# Altium PCB AT91-PCB.PcbDoc (part 3 of 3)
Units mm, origin at the board's own origin, x right, y up, seen from the top; angles counter-clockwise.
Board outline 112.5 x 92.7 mm, 2 copper layers (Top Layer, Bottom Layer), stack 1.671 mm thick; 226 components, 269 nets, 1126 pads, 364 vias.
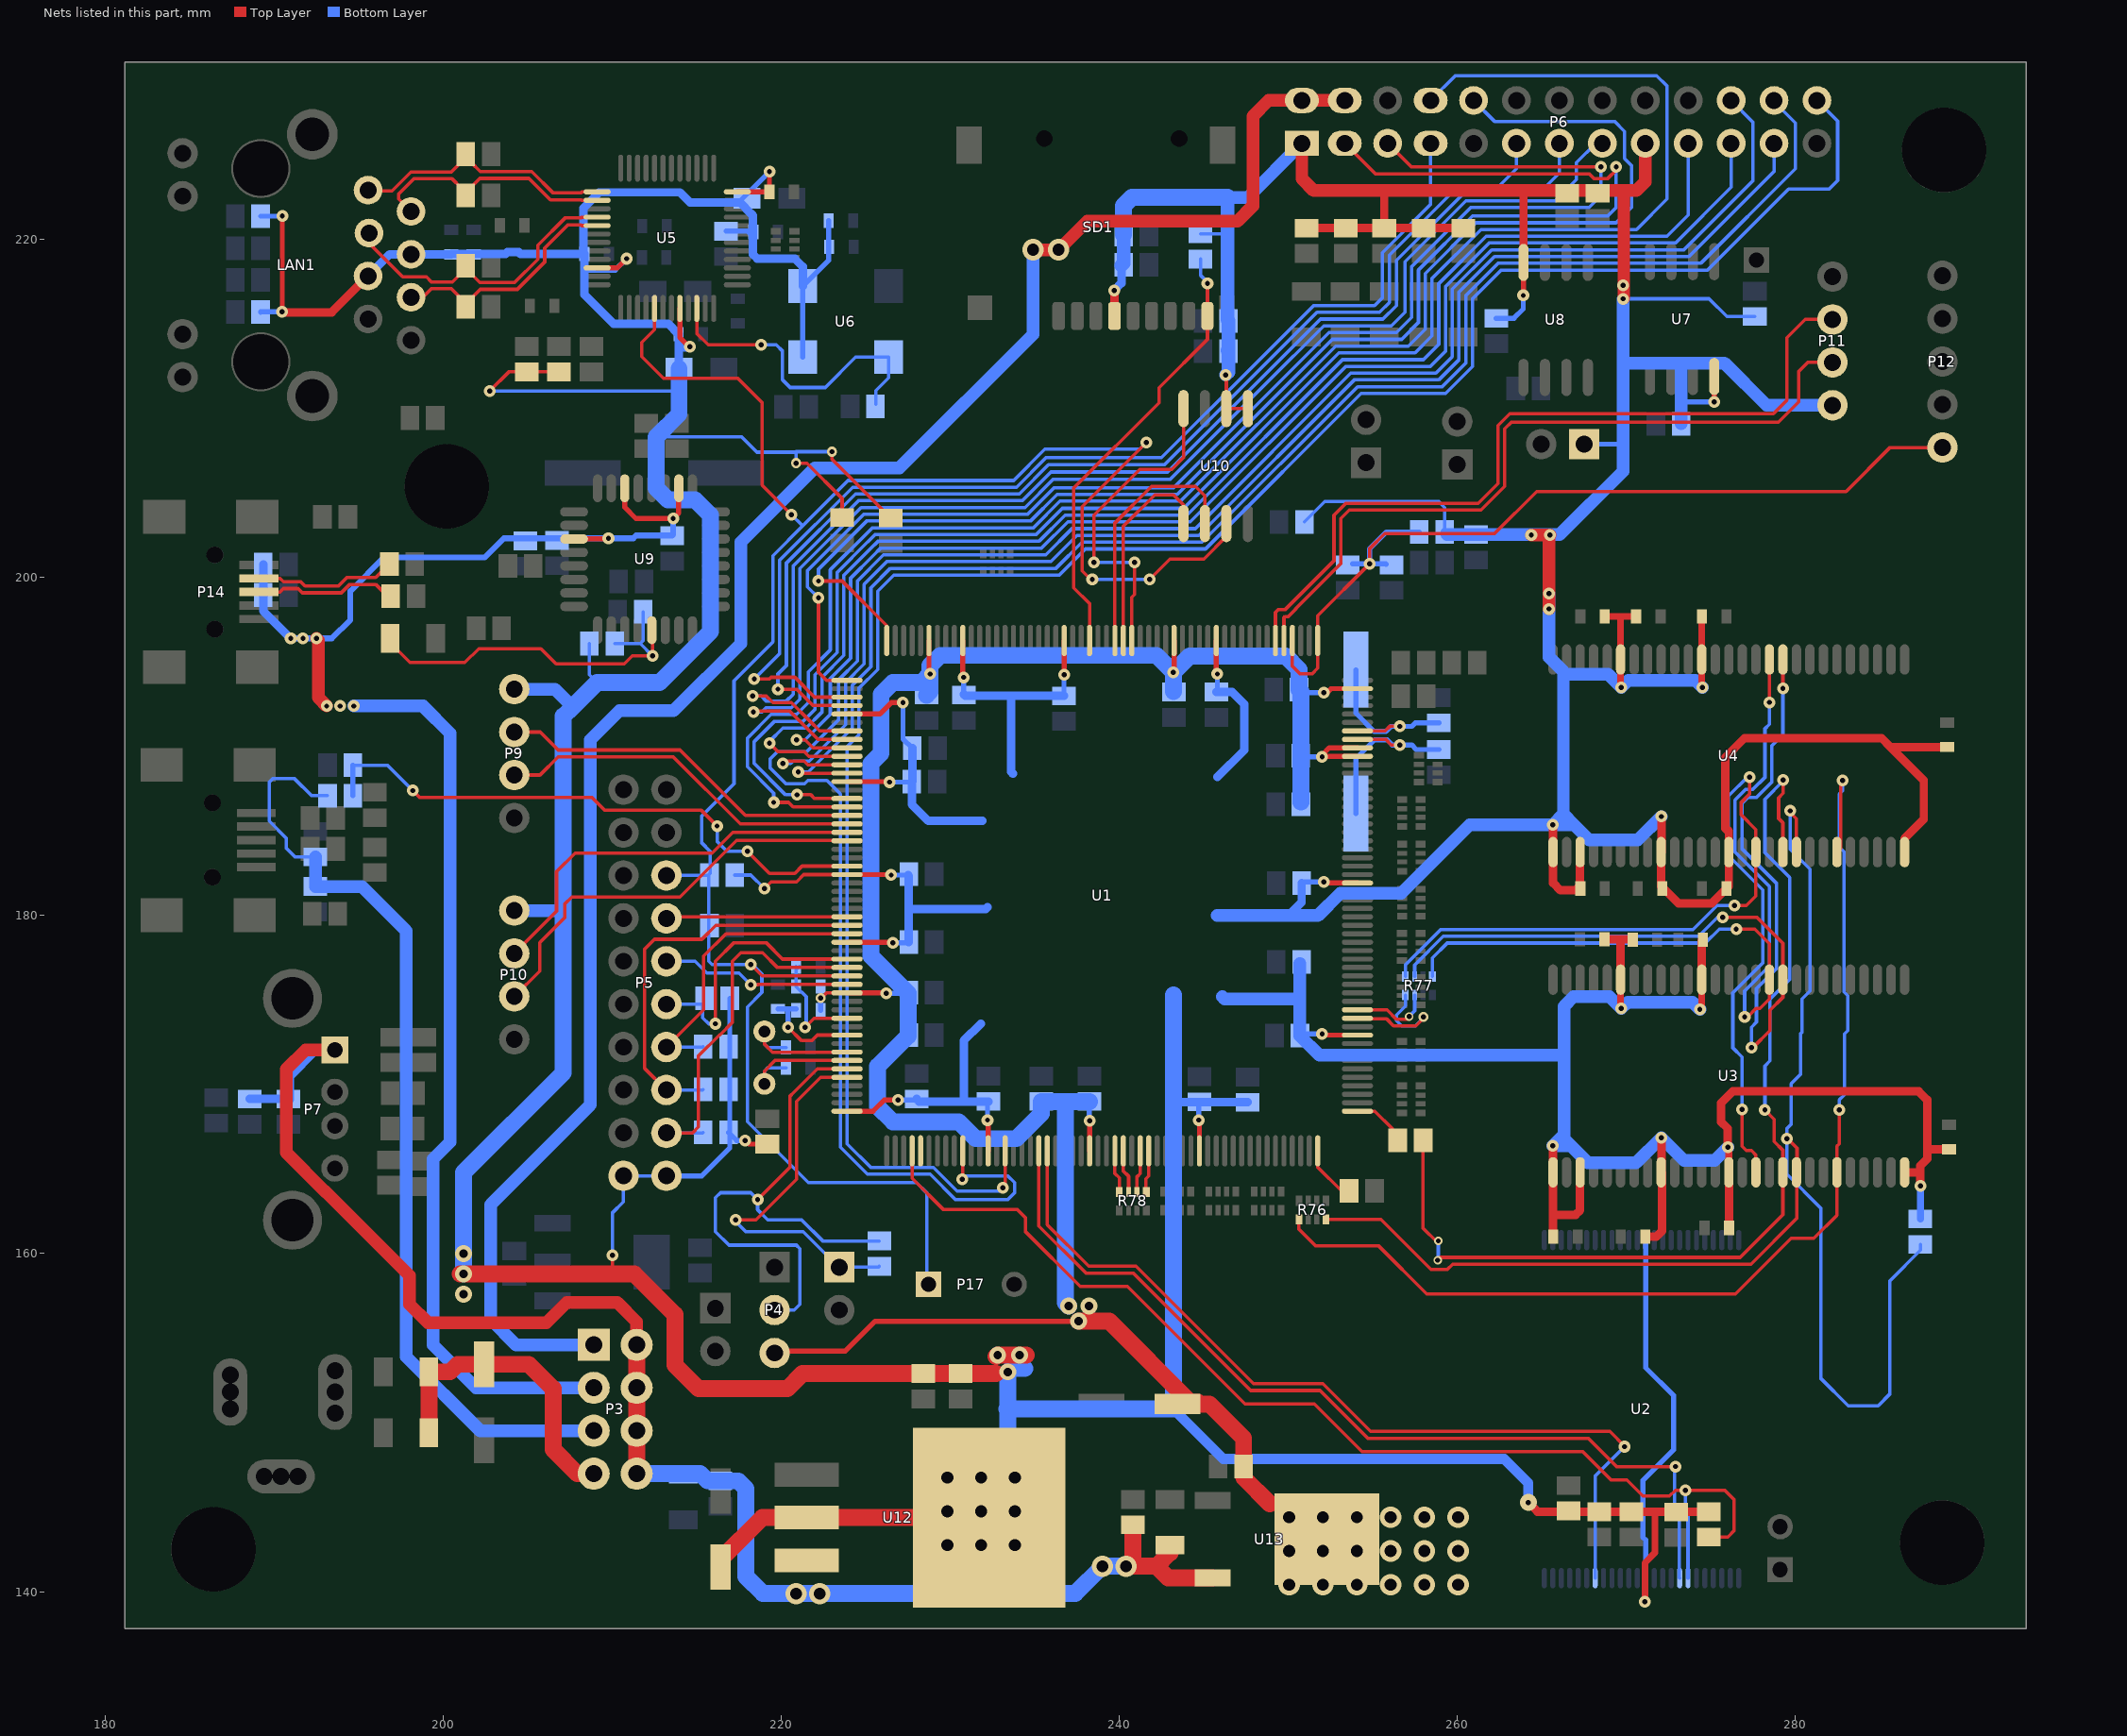
[diagram p3: the nets of this part, all layers, seen from the top]

## Via types
v1: diameter 0.7, hole 0.3, Top Layer to Bottom Layer, 267 vias
v2: diameter 1.27, hole 0.711, Top Layer to Bottom Layer, 40 vias
v3: diameter 0.5, hole 0.3, Top Layer to Bottom Layer, 21 vias
v4: diameter 0.6, hole 0.3, Top Layer to Bottom Layer, 16 vias
v5: diameter 1, hole 0.5, Top Layer to Bottom Layer, 15 vias
v6: diameter 1.2, hole 0.5, Top Layer to Bottom Layer, 3 vias
v7: diameter 1, hole 0.3, Top Layer to Bottom Layer, 2 vias

## Nets (pads, with @x,y where several pads share a name; then routed paths per layer and width w, separated by ;. In a path a pad name is that pad's centre, name@x,y a point inside that pad or via, vN(x,y) a via of type N, cw(c..) or ccw(c..) an arc to the next point about the centre after c; other vN are vias at no path point) (continued)
NetR77_3: R77.3 U1.117 | length 4.8
  Top Layer w0.2: U1.117@254.089,174.428 255.837,174.428 256.391,173.875 257,173.875 v3(257.15,174.025)
  Bottom Layer w0.2: v3(257.15,174.025) 257.15,174.049 257.475,174.374 R77.3@257.475,175.3
NetR77_4: R77.4 U1.116 | length 8
  Top Layer w0.2: U1.116@254.114,173.903 255.797,173.903 256.225,173.475 257.55,173.475 v4@258,173.925
  Bottom Layer w0.2: R77.4@256.925,175.3 256.925,174.65 256.4,174.125 256.4,173.775 256.7,173.475 257.525,173.475 258,173.95 v4(258,174)
NetR78_1: R78.1 U1.84 | length 2.5
  Top Layer w0.2: R78.1@241.6,163.65 241.575,163.675 241.575,164.425 241.739,164.589 U1.84@241.739,166.078
NetR78_2: R78.2 U1.83 | length 2.5
  Top Layer w0.2: R78.2@241.05,163.65 241.05,164.55 241.239,164.739 U1.83@241.239,166.078
NetR78_3: R78.3 U1.81 | length 2.6
  Top Layer w0.2: U1.81@240.239,166.078 240.239,164.886 240.55,164.575 R78.3@240.55,163.65
NetR78_4: R78.4 U1.80 | length 2.5
  Top Layer w0.2: U1.80@239.739,166.078 239.739,164.736 240,164.475 R78.4@240,163.65
NetR79_1: R79.1 U1.104 | length 3.4
  Top Layer w0.2: U1.104@251.739,166.078 251.739,165.111 253.125,163.725 R79.1@253.6,163.725
NetR80_1: R80.1 U1.105 | length 2.5
  Top Layer w0.2: U1.105@254.089,168.428 255.122,168.428 R80.1@256.15,167.4
NetR81_1: R81.1 R82.1 U1.41 | length 6.9
  Top Layer w0.2: v1(221.4,173.4) 221.928,173.928 U1.41@223.889,173.928
  Bottom Layer w0.2: R81.1@220.875,177 R81.1@220.875,176.8 ; R81.1@221.075,177 R81.1@220.875,176.8 ; v1(221.4,173.4) 221.475,173.475 221.475,175.2 R82.1@220.875,175.8 R81.1@220.875,176.8
NetR83_1: R83.1 R84.1 U1.43 | length 6.1
  Top Layer w0.2: v1(220.4,173.4) 221.2,172.6 221.8,172.6 222.128,172.928 U1.43@223.889,172.928
  Bottom Layer w0.3: R84.1@219.8,174.475 R83.1@220.875,174.475 ; v1(220.4,173.4) 220.4,174.475
NRE: U1.71 U2.8 | length 54.7
  Top Layer w0.2: U1.71@235.239,166.078 235.239,161.639 238.028,158.85 240.815,158.85 247.765,151.9 251.877,151.9 254.702,149.075 267.75,149.075 269.425,147.4 v1(272.899,147.4)
  Bottom Layer w0.2: v1(272.899,147.4) 272.85,147.35 272.85,144.55 273.125,144.275 273.125,140.825 U2.8@273.15,140.8
NRST: C97.2 P5.15 P17.1 R52.1 U1.36 U5.29 U10.3 | length 129.1
  Top Layer w0.2: U5.29@212.5,215.93 212.5,214.675 211.75,213.925 211.75,213.075 213.025,211.8 217.425,211.8 218.875,210.35 218.875,205.45 v1(220.6,203.725) ; v1(218.2,177.1) 218.872,176.428 U1.36@223.889,176.428 ; v1(238.4,199.9) 238.3,199.9 237.8,200.4 237.8,204.2 v1(241.6,208) ; v1(241.8,199.9) 243,201.1 245,201.1 246.335,202.435 U10.3@246.335,203.2
  Bottom Layer w0.2: P5.15@213.2,182.38 R52.1@215.67,182.38 ; v1(220.6,203.725) 221.262,203.063 ; P17.1@228.7,158.175 228.6,158.275 228.6,163.6 228,164.2 221.6,164.2 218,167.8 218,174.6 218.85,175.45 218.85,176.55 218.3,177.1 v1(218.2,177.1) 215.9,177.1 215.7,177.3 215.7,182.35 R52.1@215.67,182.38 ; v1(238.4,199.9) v1(241.8,199.9) ; v1(241.6,208) 241.2,207.6 235.6,207.6 233.75,205.75 223.95,205.75 221.262,203.062 ; R52.1@215.67,182.38 215.8,182.51 215.8,183.8 215.3,184.3 215.3,185.9 217.2,187.8 217.2,193.9 219.5,196.2 219.5,201.3 221.262,203.062
NTRST: P5.3 R39.2 U1.35 | length 22.2
  Top Layer w0.2: P5.3@213.2,167.14 214.74,167.14 215.1,167.5 215.1,171.7 216.35,172.95 216.369,172.95 217.1,173.681 217.1,177.3 217.6,177.8 218.9,177.8 219.772,176.928 U1.35@223.889,176.928
  Bottom Layer w0.2: P5.3@213.2,167.14 215.352,167.14 R39.2@215.379,167.167
NWE: U1.72 U2.18 | length 52.5
  Top Layer w0.2: U1.72@235.739,166.078 235.739,161.705 238.194,159.25 240.981,159.25 247.931,152.3 252.043,152.3 254.868,149.475 269.025,149.475 269.9,148.6 v1(269.9,148.575)
  Bottom Layer w0.2: U2.18@268.15,140.8 268.15,146.825 v1(269.9,148.575)
OSC_50: R69.2 U5.34 U6.3 | length 19
  Top Layer w0.2: U5.34@215,215.93 215,214.45 215.675,213.775 v1(218.8,213.775) v1@218.825,213.775
  Bottom Layer w0.2: v1(218.8,213.775) 219.7,213.775 220.075,213.4 220.075,211.7 220.525,211.25 222.6,211.25 224.4,213.05 U6.3@226.355,213.05 226.355,211.83 225.6,211.075 R69.2@225.6,210.25
PA26: P6.7 U1.3 | length 66.1
  Top Layer w0.2: v1(218.4,194) 219.3,194 219.4,194.1 220.8,194.1 221.972,192.928 U1.3@223.889,192.928
  Bottom Layer w0.2: v1(218.4,194) 219.9,195.5 219.9,201.028 224.222,205.35 233.916,205.35 235.666,207.1 242.5,207.1 247.7,212.3 251.5,216.1 255.1,216.1 255.556,216.556 255.556,219.222 258.42,222.086 P6.7@258.42,225.7
PA27: P6.11 U1.4 | length 68.2
  Top Layer w0.2: v1(219.8,193.4) 220.9,193.4 221.872,192.428 U1.4@223.889,192.428
  Bottom Layer w0.2: v1(219.8,193.4) 219.8,194.3 220.3,194.8 220.3,200.863 224.387,204.95 234.081,204.95 235.807,206.676 242.676,206.676 251.7,215.7 255.4,215.7 255.981,216.281 255.981,219.081 260,223.1 262.4,223.1 263.5,224.2 P6.11@263.5,225.7
PA28: P6.13 U1.7 | length 75
  Top Layer w0.2: v1(218.3,193) 219.1,193 219.5,192.6 220.6,192.6 221.7,191.5 222.272,190.928 U1.7@223.889,190.928
  Bottom Layer w0.2: v1(218.3,193) 218.8,193 219.1,192.7 220.3,192.7 220.7,193.1 220.7,200.697 224.553,204.55 234.247,204.55 235.949,206.251 242.851,206.251 251.9,215.3 255.6,215.3 256.405,216.105 256.405,218.771 260.334,222.7 264.8,222.7 266.04,223.94 P6.13@266.04,225.7
PA29: P6.15 U1.8 | length 77.3
  Top Layer w0.2: v1(218.35,192.05) 218.4,192.1 220.5,192.1 222.172,190.428 U1.8@223.889,190.428
  Bottom Layer w0.2: v1(218.35,192.05) 218.85,192.05 219.1,192.3 220.6,192.3 221.1,192.8 221.1,200.531 224.719,204.15 234.413,204.15 236.09,205.827 243.027,205.827 248.6,211.4 252.1,214.9 256.1,214.9 256.9,215.7 256.9,218.7 260.5,222.3 265.8,222.3 267.05,223.55 267.05,224.55 268.2,225.7 P6.15@268.58,225.7
RASN: R80.2 U3.18 U4.18 | length 61.5
  Top Layer w0.2: R80.2@257.975,166.7 257.975,161.5 258.8,160.675 v3(258.875,160.75) ; v3(258.838,159.608) 259.005,159.775 276.741,159.775 279.264,162.298 U3.18@279.264,164.81 279.264,166.116 278.75,166.63 278.75,167.949 v1(278.199,168.5) ; U4.18@279.264,183.759 279.264,185.497 279.01,185.75 279.01,186.969 279.278,187.237 v1(279.278,188.025)
  Bottom Layer w0.2: v3(258.838,159.608) 258.875,159.645 v3(258.875,160.75) ; v1(278.199,168.5) 278.199,171.099 278.5,171.4 278.5,175.05 279.675,176.225 279.675,182.256 278.2,183.731 278.2,186.889 279.278,187.967 v1(279.278,188.025)
RNB: R3.2 U1.56 U2.7 | length 67.7
  Top Layer w0.2: U1.56@227.739,166.078 227.739,164.461 229.6,162.6 233.972,162.6 234.439,162.133 234.439,161.308 237.697,158.05 240.484,158.05 247.434,151.1 251.546,151.1 254.371,148.275 267.419,148.275 269.094,146.6 270.035,146.6 270.985,145.65 272.55,145.65 272.9,146 v1(273.5,146) 275.824,146 276.375,145.45 276.375,143.6 276,143.225 R3.2@274.825,143.225
  Bottom Layer w0.2: v1(273.5,146) 273.5,145 273.65,144.85 U2.7@273.65,140.8
RTCK: P5.11 U1.37 | length 11.3
  Top Layer w0.2: v1(218.2,175.9) 218.6,175.9 218.628,175.928 U1.37@223.889,175.928
  Bottom Layer w0.2: P5.11@213.2,177.3 214.9,177.3 215.6,176.6 217.5,176.6 v1(218.2,175.9)
RX_N: LAN1.6 R6.1 U5.17 | length 14.4
  Top Layer w0.2: LAN1.6@198.091,216.589 198.789,216.589 199.3,217.1 200.475,217.1 201.33,216.245 R6.1@201.33,216.03 201.33,216.204 202.185,217.059 204.384,217.059 206,218.675 206,219.509 207.371,220.88 208.15,220.88 208.2,220.83 U5.17@209.1,220.83
RX_P: LAN1.3 R7.1 U5.16 | length 17.8
  Top Layer w0.2: LAN1.3@195.605,220.389 195.605,219.795 197.6,217.8 199,217.8 199.3,217.5 200.544,217.5 201.33,218.286 202.157,217.459 204.218,217.459 205.6,218.841 205.6,219.675 207.205,221.28 208.15,221.28 208.2,221.33 U5.16@209.1,221.33
RXD0: P6.10 U1.16 | length 94.3
  Top Layer w0.2: v1(219.55,186.7) 220.425,186.7 220.697,186.428 U1.16@223.889,186.428
  Bottom Layer w0.2: v1(219.55,186.7) 219.55,187.25 218,188.8 218,190.5 219.4,191.9 220.9,191.9 221.6,192.6 221.6,194.425 222.9,195.725 222.9,200.466 224.934,202.5 224.937,202.5 225.387,202.95 234.91,202.95 236.484,204.524 243.624,204.524 252.8,213.7 257.1,213.7 258.1,214.7 258.1,218 261.1,221 269.4,221 270.3,221.9 270.3,224.4 269.9,224.8 269.9,226.4 269.3,227 262.2,227 P6.10@260.96,228.24
RXD1: P9.3 U1.18 | length 21.8
  Top Layer w0.2: P9.3@204.2,188.32 205.72,188.32 206.8,189.4 213.6,189.4 217.572,185.428 U1.18@223.889,185.428
RXD2: P10.3 U1.20 | length 25
  Top Layer w0.2: P10.3@204.2,175.22 205.7,176.72 205.7,178.4 207.2,179.9 207.2,180.7 207.6,181.1 214,181.1 217.35,184.45 223.867,184.45 U1.20@223.889,184.428
RXD3: P11.3 U1.162 | length 47.6
  Top Layer w0.2: U1.162@249.239,196.278 249.239,197.939 249.4,198.1 249.8,198.1 252.7,201 252.7,203.7 253.4,204.4 261.231,204.4 262.4,205.569 262.4,209 263.1,209.7 278.7,209.7 279.5,210.5 279.5,214.2 280.58,215.28 P11.3@282.2,215.28
SD_CD: R43.2 SD1.9 U1.184 | length 26.4
  Top Layer w0.2: U1.184@238.239,196.278 238.239,198.461 237.3,199.4 237.3,205.3 242.35,210.35 242.35,211.235 245.215,214.1 SD1.9@245.215,215.482 v1(245.215,217.4)
  Bottom Layer w0.2: R43.2@244.8,218.85 244.8,217.9 245.215,217.485 v1(245.215,217.4)
SDA10: R76.1 U3.22 U4.22 | length 66.6
  Top Layer w0.2: R76.1@250.625,162.025 250.625,161.447 251.622,160.45 255.353,160.45 258.195,157.608 276.458,157.608 279.75,160.9 281.1,160.9 282.464,162.264 U3.22@282.464,164.81 282.464,166.364 282.599,166.499 v1(282.599,168.5) ; U4.22@282.464,183.759 282.689,183.984 282.689,187.889 v1(282.799,188)
  Bottom Layer w0.2: v1(282.599,168.5) 282.599,169.099 282.9,169.4 282.9,173 283.1,173.2 283.1,175.259 282.875,175.484 282.875,183.772 282.6,184.047 282.6,187.2 282.799,187.399 v1(282.799,188)
SDCLK: R77.8 U3.38 U4.38 | length 51
  Top Layer w0.2: v1(276.5,179.2) 277.6,179.2 278.464,178.336 U3.38@278.464,176.21 278.464,175.064 277.9,174.5 277.675,174.5 277.175,174 v1(277,174) ; v1(278.464,192.62) U4.38@278.464,195.159
  Bottom Layer w0.2: R77.8@258.525,176.4 258.525,177.5 259.4,178.375 274.675,178.375 275.5,179.2 v1(276.5,179.2) ; v1(277,174) 277,175.55 278.475,177.025 278.475,181.725 276.436,183.764 276.436,186.836 277.077,187.477 277.496,187.477 278.2,188.181 278.2,191.062 278.464,191.325 v1(278.464,192.62)
SDCLKE: R77.6 U3.37 U4.37 | length 57
  Top Layer w0.2: v1(275.7,179.9) 277.725,179.9 279.264,178.361 U3.37@279.264,176.21 279.264,175.164 278.5,174.4 278.5,173.201 277.499,172.2 v1(277.399,172.2) ; v1(279.264,193.446) U4.37@279.264,195.159
  Bottom Layer w0.2: R77.6@257.475,176.4 257.475,177.075 259.175,178.775 274.275,178.775 275.4,179.9 v1(275.7,179.9) ; v1(277.399,172.2) 277.399,173.399 277.7,173.7 277.7,175.675 278.875,176.85 278.875,181.925 276.836,183.964 276.836,186.636 277.2,187 277.723,187 277.723,187.023 278.6,187.9 278.6,190.05 279.264,190.714 v1(279.264,193.446)
SDCS: R1.2 R76.4 U3.19 U4.19 | length 88.1
  Top Layer w0.2: R76.4@252.225,162.025 255.475,162.025 258.442,159.058 259.408,159.058 259.725,159.375 277.375,159.375 280.077,162.077 280.077,164.823 280.1,164.847 280.1,166.245 279.546,166.8 v1(279.499,166.8) ; v1(279.699,186.2) 279.699,186.102 280.064,185.738 U4.19@280.064,183.759
  Bottom Layer w0.2: v1(279.699,186.2) 279.699,183.929 280.875,182.753 280.875,175.55 280.4,175.075 280.4,173.1 280.3,173 280.3,170.6 279.749,170.049 279.749,167.649 279.499,167.399 v1(279.499,166.8) 279.499,164.701 281.5,162.7 281.5,152.625 283.125,151 284.9,151 285.6,151.7 285.6,158.4 287.4,160.2 R1.2@287.4,160.55
SPI0_NCS1: U1.57
SPI0_SCK: U1.181 U10.2 | length 15.6
  Top Layer w0.2: U1.181@239.739,196.278 239.739,203.239 241.9,205.4 244.5,205.4 245.065,204.835 U10.2@245.065,202.7
SPI0_SI: U1.180 U10.1 | length 12.9
  Top Layer w0.2: U1.180@240.239,196.278 240.239,203.039 242.1,204.9 243.2,204.9 243.795,204.305 U10.1@243.795,202.7
SPI0_SO: U1.179 U10.8 | length 19
  Top Layer w0.2: v1(238.5,200.9) 238.5,203.7 241.2,206.4 243.1,206.4 243.795,207.095 U10.8@243.795,209.5 ; U1.179@240.739,196.278 240.739,198.839 240.9,199 v1(240.9,200.9)
  Bottom Layer w0.2: v1(238.5,200.9) v1(240.9,200.9)
SPI1_MISO: P6.21 U1.9 | length 81
  Top Layer w0.2: v1(220.9,190.4) 221.4,190.4 221.872,189.928 U1.9@223.889,189.928
  Bottom Layer w0.2: v1@220.8,190.5 v1(220.9,190.4) 221.4,190.4 222.9,191.9 222.9,194.028 224.1,195.228 224.1,199.969 225.431,201.3 225.434,201.3 225.884,201.75 235.407,201.75 236.957,203.3 244.2,203.3 253.4,212.5 258.4,212.5 259.3,213.4 259.3,217.231 261.869,219.8 265.572,219.8 272.9,219.8 276.2,223.1 P6.21@276.2,225.7
SPI1_MOSI: P6.19 U1.10 | length 82.6
  Top Layer w0.2: v1@219.3,190.2 219.8,189.7 221.366,189.7 221.637,189.428 U1.10@223.889,189.428
  Bottom Layer w0.2: v1(219.3,190.2) 219.3,190.3 220.1,191.1 221.4,191.1 221.466,191.1 222.4,192.034 222.4,194.094 223.7,195.394 223.7,200.134 225.266,201.7 225.269,201.7 225.719,202.15 235.241,202.15 236.791,203.7 244,203.7 253.2,212.9 258,212.9 258.9,213.8 258.9,217.397 261.703,220.2 265.737,220.2 272.4,220.2 273.66,221.46 P6.19@273.66,225.7
SPI1_NCS0: P6.24 U1.12 | length 88
  Top Layer w0.2: v1(221,188.5) 220.943,188.5 220.9,188.457 220.928,188.428 U1.12@223.889,188.428
  Bottom Layer w0.2: v1(221,188.5) 221.6,188.5 224.2,191.1 224.2,193.631 225.3,194.731 225.3,197.266 225.3,199.4 226.45,200.55 236.25,200.55 237.8,202.1 244.9,202.1 254.1,211.3 259.1,211.3 260.5,212.7 260.5,216.7 262.4,218.6 274.4,218.6 280,224.2 280,226.9 278.74,228.16 P6.24@278.74,228.24
SPI1_NCS1: P6.26 U1.67 | length 120.6
  Top Layer w0.2: v1(233.1,163.9) 233.239,164.039 U1.67@233.239,166.078
  Bottom Layer w0.2: v1(233.1,163.9) 232.9,163.7 230.4,163.7 229,165.1 225.3,165.1 223.9,166.5 223.9,190 224.6,190.7 224.6,193.465 225.7,194.565 225.7,199.2 226.65,200.15 236.45,200.15 238,201.7 245.1,201.7 254.3,210.9 259.3,210.9 260.9,212.5 260.9,216.5 262.6,218.2 274.8,218.2 279.6,223 282,223 282.5,223.5 282.5,227.02 P6.26@281.28,228.24
SPI1_NCS2: P6.22 U1.62 | length 127.9
  Top Layer w0.2: v1(230.7,164.4) 230.739,164.439 U1.62@230.739,166.078
  Bottom Layer w0.2: v1(230.7,164.4) 230.9,164.6 233.4,164.6 233.8,164.2 233.8,163.6 233.4,163.2 230.3,163.2 228.8,164.7 225.1,164.7 223.5,166.3 223.5,187.2 222.7,188 221.581,188 221.381,187.8 220.275,187.8 219.35,188.725 219.35,189.275 219.775,189.7 221.5,189.7 223.4,191.6 223.4,193.962 224.5,195.062 224.5,199.8 226.05,201.35 235.65,201.35 237.2,202.9 244.5,202.9 253.7,212.1 258.731,212.1 259.7,213.069 259.7,217.066 262.034,219.4 265.406,219.4 273.4,219.4 277.5,223.5 277.5,226.94 P6.22@276.2,228.24
SPI1_SCK: P6.23 U1.11 | length 85.3
  Top Layer w0.2: v1(220.1,189) 220.25,189.15 221.35,189.15 221.572,188.928 U1.11@223.889,188.928
  Bottom Layer w0.2: v1(220.1,189) 220.55,189 220.7,189.15 221.65,189.15 223.8,191.3 223.8,193.797 224.9,194.897 224.9,199.6 226.25,200.95 235.95,200.95 237.5,202.5 244.7,202.5 253.9,211.7 258.897,211.7 260.1,212.903 260.1,216.9 262.2,219 273.7,219 278.74,224.04 P6.23@278.74,225.7
TCK: P5.9 R42.2 U1.34 | length 16.2
  Top Layer w0.2: v1(216.1,173.6) 216.1,177.3 217.2,178.4 219.1,178.4 220.072,177.428 U1.34@223.889,177.428
  Bottom Layer w0.2: P5.9@213.2,174.76 215.352,174.76 215.352,173.948 215.7,173.6 v1(216.1,173.6)
TDI: P5.5 R40.2 U1.30 | length 23.6
  Top Layer w0.2: P5.5@213.2,169.68 211.9,170.98 211.9,178 212.5,178.6 215.3,178.6 216.128,179.428 U1.30@223.889,179.428
  Bottom Layer w0.2: P5.5@213.2,169.68 215.352,169.68 R40.2@215.379,169.707
TDO: P5.13 U1.29 | length 10.7
  Top Layer w0.2: P5.13@213.2,179.84 213.288,179.928 U1.29@223.889,179.928
TMS: P5.7 R41.2 U1.31 | length 17.5
  Top Layer w0.2: P5.7@213.2,172.22 215.4,174.42 215.4,177.6 216.728,178.928 U1.31@223.889,178.928
  Bottom Layer w0.2: P5.7@213.2,172.22 215.352,172.22 R41.2@215.379,172.247
TWCK: P6.5 U1.1 | length 81
  Top Layer w0.2: v1(222.2,198.8) 222.2,194.4 222.672,193.928 U1.1@223.889,193.928 ; P6.5@255.88,225.7 257.28,224.3 v1(268.5,224.3)
  Bottom Layer w0.2: v1(222.2,198.8) 221.55,199.45 221.55,200.416 224.884,203.75 234.578,203.75 236.153,205.324 243.224,205.324 252.4,214.5 256.4,214.5 257.3,215.4 257.3,218.4 260.8,221.9 267.8,221.9 268.5,222.6 v1(268.5,224.3)
TWD: P6.3 U1.208 | length 84.3
  Top Layer w0.2: v1(222.2,199.8) 223.6,199.8 226.239,197.161 U1.208@226.239,196.278 ; P6.3@253.34,225.7 255.14,223.9 267.8,223.9 268.08,223.62 268.9,223.62 269.4,224.12 v1(269.4,224.3)
  Bottom Layer w0.2: v1(222.2,199.8) 222.2,200.5 225.05,203.35 234.744,203.35 236.318,204.924 243.424,204.924 252.6,214.1 256.7,214.1 257.7,215.1 257.7,218.2 260.9,221.4 268.9,221.4 269.4,221.9 v1(269.4,224.3)
TX_N: LAN1.2 R8.1 U5.14 | length 14.5
  Top Layer w0.2: LAN1.2@198.091,221.669 197.35,222.41 197.35,222.7 198.25,223.6 200.525,223.6 R8.1@201.049,223.076 ; R8.1@201.33,222.62 201.33,222.794 202.161,223.625 205.075,223.625 206.34,222.36 208.17,222.36 208.2,222.33 U5.14@209.1,222.33
TX_P: LAN1.1 R9.1 U5.13 | length 15.7
  Top Layer w0.2: LAN1.1@195.551,222.929 195.605,222.875 196.959,222.875 198.084,224 200.475,224 201.048,224.573 R9.1@201.642,224.573 ; R9.1@201.33,225.06 201.33,224.886 R9.1@201.642,224.573 ; U5.13@209.1,222.83 208.2,222.83 208.13,222.76 206.506,222.76 205.241,224.025 202.191,224.025 R9.1@201.642,224.573
TXD0: P6.8 U1.15 | length 102.7
  Top Layer w0.2: v1(220.925,187.15) 221.75,187.15 221.972,186.928 U1.15@223.889,186.928
  Bottom Layer w0.2: v1@221.169,187.15 v1(220.925,187.15) 220.25,187.15 218.4,189 218.4,190.3 219.6,191.5 221.3,191.5 222,192.2 222,194.259 223.3,195.559 223.3,200.3 225.1,202.1 225.103,202.1 225.553,202.55 235.075,202.55 236.625,204.1 243.8,204.1 253,213.3 257.5,213.3 258.5,214.3 258.5,217.7 261.4,220.6 265.903,220.6 270.6,220.6 272.4,222.4 272.4,229.1 271.8,229.7 259.88,229.7 P6.8@258.42,228.24